# KiCad board JumperlessV5r8.kicad_pcb (continued)
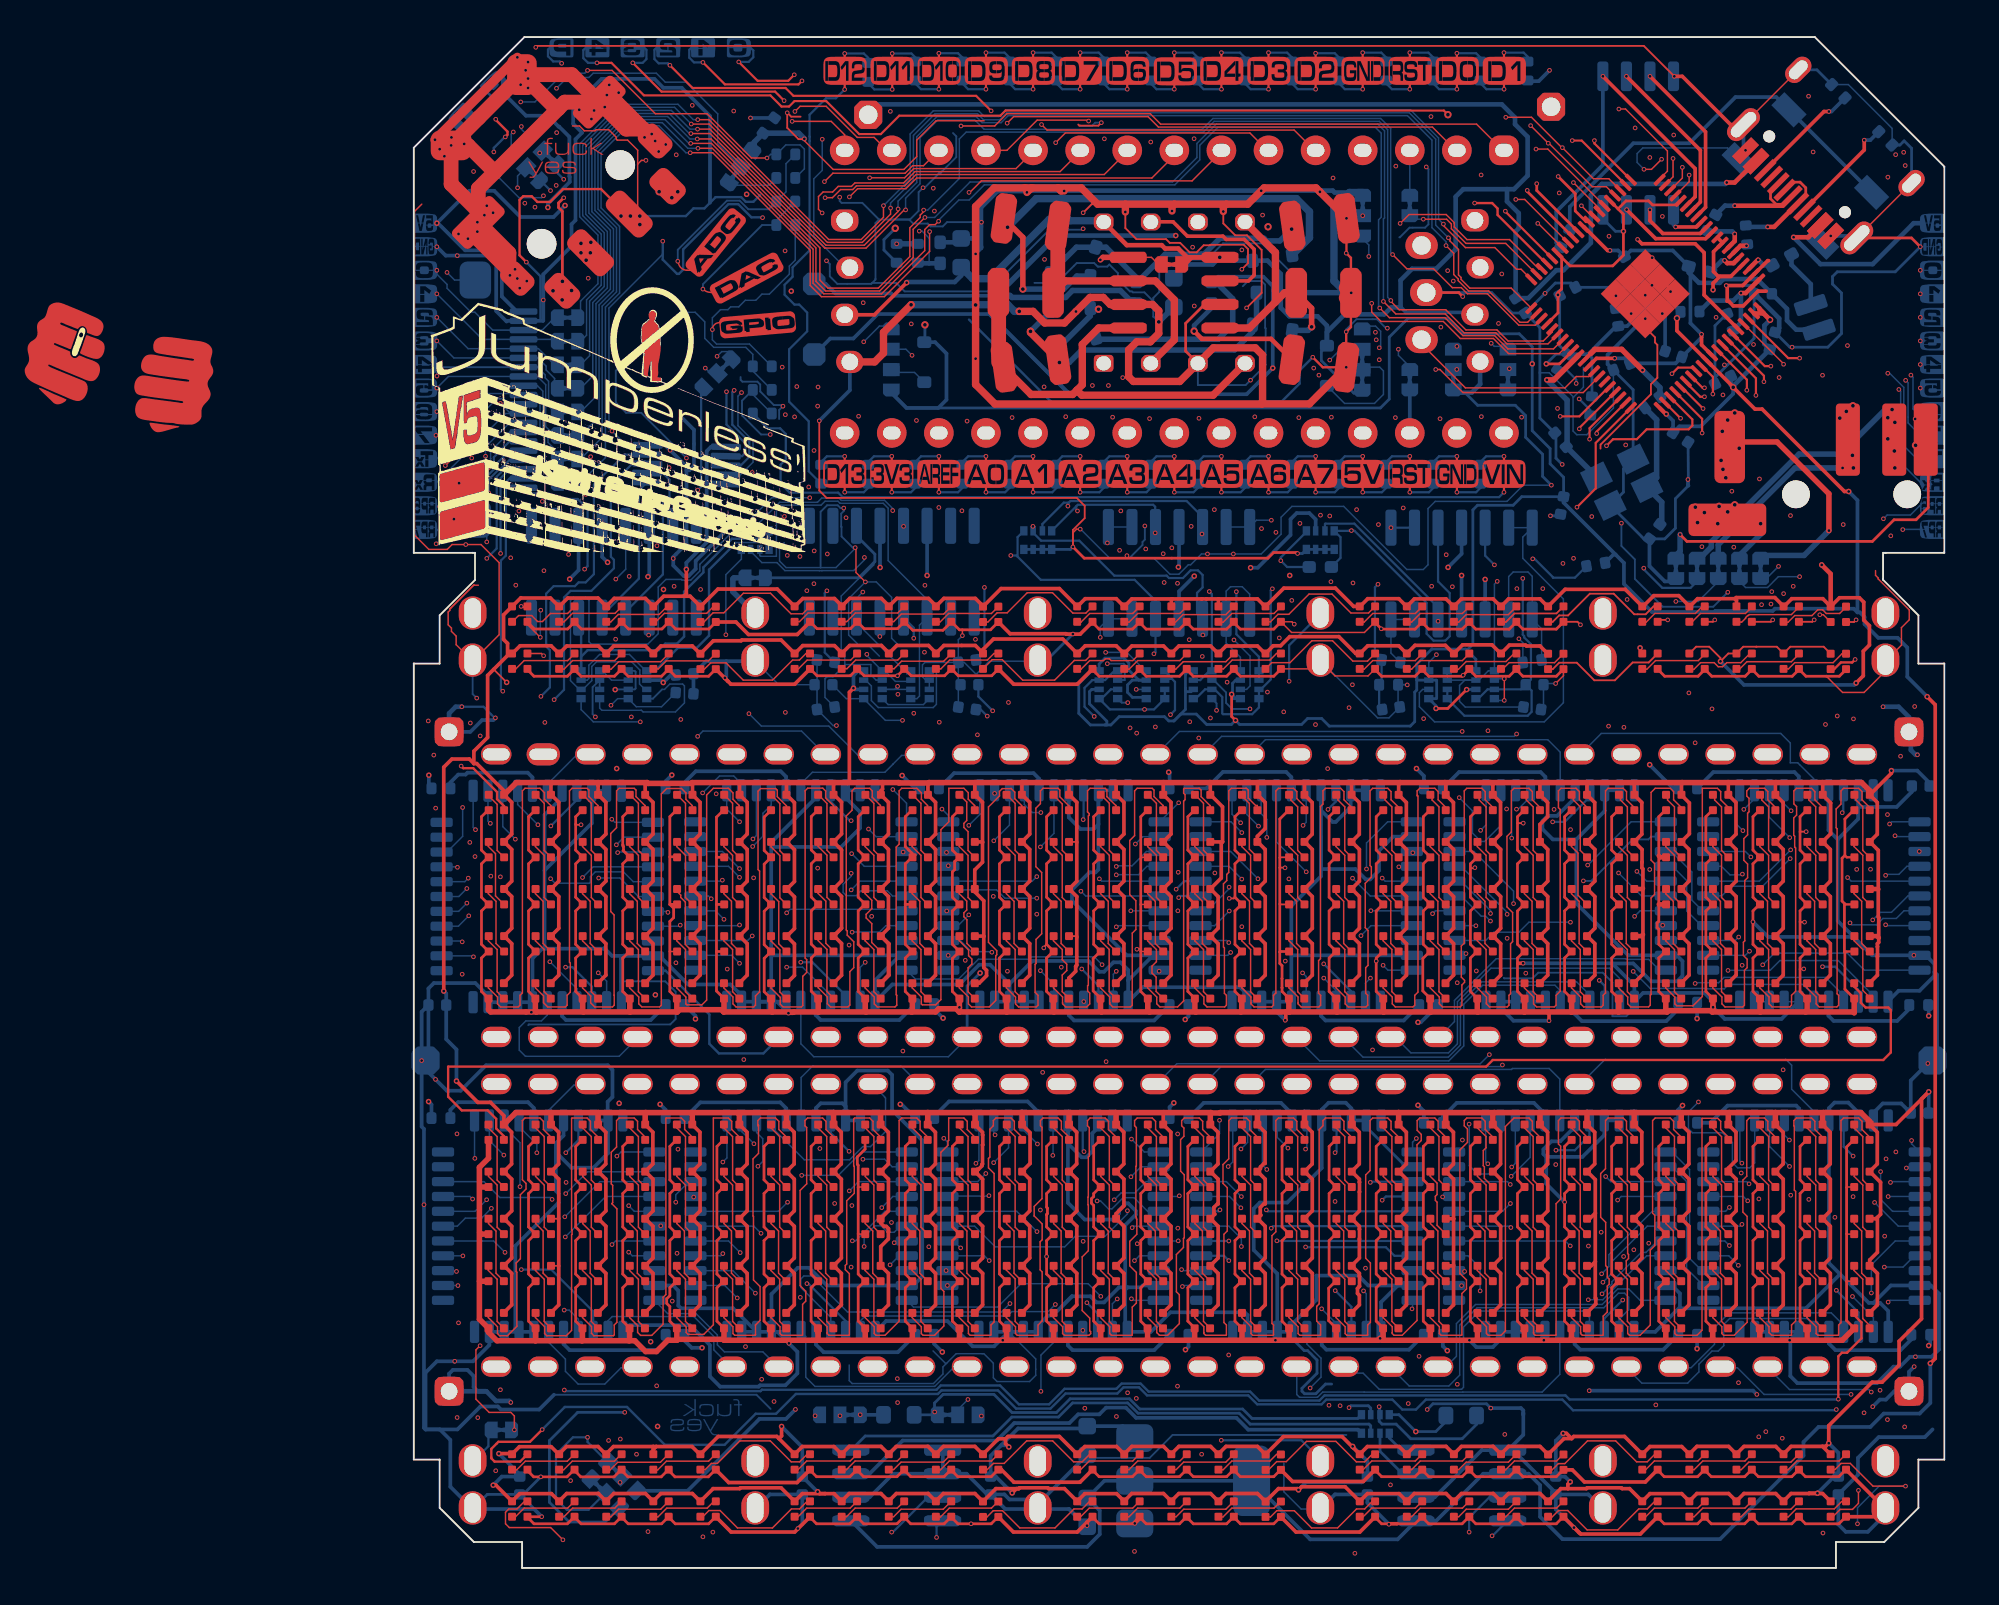
[diagram p0: board, top side]
## Nets (continued)
DI: D70.3 I1.39
DJ: D70.4 J6.39
DK: D70.2 K1.39
DL: D70.8 L1.39
EI: E1.5 I1.17
EJ: E1.6 J6.17
EK: E1.30 K1.17
EL: E1.26 L1.17
ENC_A: SW3.1 U5.11
ENC_B: SW3.4 U5.12
ENC_PUSH: C27.1 R22.2 U5.9
EncoderMP: SW3.0
FI: F5.7 I1.15
FJ: F5.8 J6.15
FK: F5.28 K1.15
FL: F5.4 L1.15
FP/Boost: JP31.1 U1.1 U9.1
GI: G1.25 I1.13
GJ: G1.24 J6.13
GK: G1.26 K1.13
GL: G1.30 L1.13
GPIO_6: J5.13 J7.13 J8.13 TP28.7 U5.3 U6.4
GPIO_7: J5.14 J7.14 J8.14 TP28.8 U5.4 U6.5
GPIO_20: J5.3 J7.3 J8.3 JP23.2 L1.27
GPIO_21: J5.4 J7.4 J8.4 JP24.2 L1.26
GPIO_22: J5.5 J7.5 J8.5 JP25.2 L1.3
GPIO_23: J5.6 J7.6 J8.6 JP12.3 JP26.2 L1.4
GPIO_24: J5.7 J7.7 J8.7 JP10.3 JP27.2 L1.5
GPIO_25: J5.8 J7.8 J8.8 JP9.3 JP28.2 L1.6
GPIO_26: J5.9 J7.9 J8.9 JP2.3 JP29.2 L1.7
GPIO_27: J5.10 J7.10 J8.10 JP1.3 JP30.2 L1.8
HI: H1.1 I1.11
HJ: H1.2 J6.11
HK: H1.4 K1.11
HL: H1.28 L1.11
I2C_SCL: R26.2 U3.4 U4.4 U5.2 U6.1 U1806.2
I2C_SDA: R27.2 U3.3 U4.3 U5.1 U6.2 U1806.3
IJ: I1.24 J6.24
IK: I1.1 K1.24
IL: I1.25 L1.25
JK: J6.1 K1.1
JL: J6.25 L1.24
KL: K1.25 L1.1
LDAC: U5.6 U1806.4
LED_60_OUT: D1605.1 JP20.3
LED_DATA_OUT: D1011.4 U5.17
LED_OUT_PROBE: JP15.1 U5.79
LED_OUT_TOP: JP20.2 U5.80
LED_RAILS_IN: D1611.4 JP20.1
NANO_3V3: A1.17 JP1.2
NANO_5V: A1.27 JP2.2
NANO_~{RESET}_0: A1.28 JP5.3 JP7.1
NANO_~{RESET}_1: A1.3 JP6.3 JP8.1
OLED_SCL: J9.2 J10.2 U6.6
OLED_SDA: J9.1 J10.1 U6.3
OSC: U1.7 U9.7
POWER_SUPPLY_SENSE_BUFFERED: C23.1 RN6.1 RN6.7 RN7.1 RN7.2 U5.57
Probe_Button: JP16.1 U5.7
Probe_Probe: JP17.1 U5.8
R_SENSE+: C15.1 NOREF#2.3 R57.1 RN2.8 RN8.2 U10.3
RESET: A2.41 B1.41 C26.41 D70.41 E1.41 F5.41 G1.41 H1.41 I1.41 J6.41 K1.41 L1.41 R3.2 U5.16
ROUTABLE_BUFFER_IN: K1.29 R88.1 RN15.8 U7.3
ROUTABLE_BUFFER_OUT: L1.29 U7.1 U7.2
RP_GPIO_20: JP23.1 U5.20
RP_GPIO_21: JP24.1 U5.21
RP_GPIO_22: JP25.1 U5.22
RP_GPIO_23: JP26.1 U5.23
RP_GPIO_24: JP27.1 U5.25
RP_GPIO_25: JP28.1 U5.26
RP_GPIO_26: JP29.1 U5.27
RP_GPIO_27: JP30.1 U5.28
TOP_RAIL: J4.61 JP3.2 K1.27
UART_Rx: I1.2 J5.12 J7.12 J8.12 U5.78
UART_Tx: J5.11 J6.2 J7.11 J8.11 U5.77
Vout: C4.2 D65.1 U1.5 U9.5
VREF/LV: U1.6
Net-(A1-VIN): A1.30 JP9.2
Net-(C14-Pad1): C14.1 R12.2 Y1.3
Net-(D2-K): D2.1 JP1.1 JP18.1
Net-(D3-K): D3.1 JP2.1 JP19.1
Net-(D4-K): C6.2 D4.1 D67.2 JP21.1
Net-(D6-A): C2.1 D6.2 D62.1
Net-(D6-K): C1.1 D6.1 D7.2 JP22.2
Net-(D65-A): C5.2 D65.2 D67.1 D68.2
Net-(D1011-DOUT): D1011.1 D1012.4
Net-(D1012-DOUT): D1012.1 D1013.4
Net-(D1013-DOUT): D1013.1 D1014.4
Net-(D1014-DOUT): D1014.1 D1015.4
Net-(D1015-DOUT): D1015.1 D1021.4
Net-(D1021-DOUT): D1021.1 D1022.4
Net-(D1022-DOUT): D1022.1 D1023.4
Net-(D1023-DOUT): D1023.1 D1024.4
Net-(D1024-DOUT): D1024.1 D1025.4
Net-(D1025-DOUT): D1025.1 D1031.4
Net-(D1031-DOUT): D1031.1 D1032.4
Net-(D1032-DOUT): D1032.1 D1033.4
Net-(D1033-DOUT): D1033.1 D1034.4
Net-(D1034-DOUT): D1034.1 D1035.4
Net-(D1035-DOUT): D1035.1 D1041.4
Net-(D1041-DOUT): D1041.1 D1042.4
Net-(D1042-DOUT): D1042.1 D1043.4
Net-(D1043-DOUT): D1043.1 D1044.4
Net-(D1044-DOUT): D1044.1 D1045.4
Net-(D1045-DOUT): D1045.1 D1051.4
Net-(D1051-DOUT): D1051.1 D1052.4
Net-(D1052-DOUT): D1052.1 D1053.4
Net-(D1053-DOUT): D1053.1 D1054.4
Net-(D1054-DOUT): D1054.1 D1055.4
Net-(D1055-DOUT): D1055.1 D1061.4
Net-(D1061-DOUT): D1061.1 D1062.4
Net-(D1062-DOUT): D1062.1 D1063.4
Net-(D1063-DOUT): D1063.1 D1064.4
Net-(D1064-DOUT): D1064.1 D1065.4
Net-(D1065-DOUT): D1065.1 D1071.4
Net-(D1071-DOUT): D1071.1 D1072.4
Net-(D1072-DOUT): D1072.1 D1073.4
Net-(D1073-DOUT): D1073.1 D1074.4
Net-(D1074-DOUT): D1074.1 D1075.4
Net-(D1075-DOUT): D1075.1 D1081.4
Net-(D1081-DOUT): D1081.1 D1082.4
Net-(D1082-DOUT): D1082.1 D1083.4
Net-(D1083-DOUT): D1083.1 D1084.4
Net-(D1084-DOUT): D1084.1 D1085.4
Net-(D1085-DOUT): D1085.1 D1091.4
Net-(D1091-DOUT): D1091.1 D1092.4
Net-(D1092-DOUT): D1092.1 D1093.4
Net-(D1093-DOUT): D1093.1 D1094.4
Net-(D1094-DOUT): D1094.1 D1095.4
Net-(D1095-DOUT): D1095.1 D1101.4
Net-(D1101-DOUT): D1101.1 D1102.4
Net-(D1102-DOUT): D1102.1 D1103.4
Net-(D1103-DOUT): D1103.1 D1104.4
Net-(D1104-DOUT): D1104.1 D1105.4
Net-(D1105-DOUT): D1105.1 D1111.4
Net-(D1111-DOUT): D1111.1 D1112.4
Net-(D1112-DOUT): D1112.1 D1113.4
Net-(D1113-DOUT): D1113.1 D1114.4
Net-(D1114-DOUT): D1114.1 D1115.4
Net-(D1115-DOUT): D1115.1 D1121.4
Net-(D1121-DOUT): D1121.1 D1122.4
Net-(D1122-DOUT): D1122.1 D1123.4
Net-(D1123-DOUT): D1123.1 D1124.4
Net-(D1124-DOUT): D1124.1 D1125.4
Net-(D1125-DOUT): D1125.1 D1131.4
Net-(D1131-DOUT): D1131.1 D1132.4
Net-(D1132-DOUT): D1132.1 D1133.4
Net-(D1133-DOUT): D1133.1 D1134.4
Net-(D1134-DOUT): D1134.1 D1135.4
Net-(D1135-DOUT): D1135.1 D1141.4
Net-(D1141-DOUT): D1141.1 D1142.4
Net-(D1142-DOUT): D1142.1 D1143.4
Net-(D1143-DOUT): D1143.1 D1144.4
Net-(D1144-DOUT): D1144.1 D1145.4
Net-(D1145-DOUT): D1145.1 D1151.4
Net-(D1151-DOUT): D1151.1 D1152.4
Net-(D1152-DOUT): D1152.1 D1153.4
Net-(D1153-DOUT): D1153.1 D1154.4
Net-(D1154-DOUT): D1154.1 D1155.4
Net-(D1155-DOUT): D1155.1 D1161.4
Net-(D1161-DOUT): D1161.1 D1162.4
Net-(D1162-DOUT): D1162.1 D1163.4
Net-(D1163-DOUT): D1163.1 D1164.4
Net-(D1164-DOUT): D1164.1 D1165.4
Net-(D1165-DOUT): D1165.1 D1171.4
Net-(D1171-DOUT): D1171.1 D1172.4
Net-(D1172-DOUT): D1172.1 D1173.4
Net-(D1173-DOUT): D1173.1 D1174.4
Net-(D1174-DOUT): D1174.1 D1175.4
Net-(D1175-DOUT): D1175.1 D1181.4
Net-(D1181-DOUT): D1181.1 D1182.4
Net-(D1182-DOUT): D1182.1 D1183.4
Net-(D1183-DOUT): D1183.1 D1184.4
Net-(D1184-DOUT): D1184.1 D1185.4
Net-(D1185-DOUT): D1185.1 D1191.4
Net-(D1191-DOUT): D1191.1 D1192.4
Net-(D1192-DOUT): D1192.1 D1193.4
Net-(D1193-DOUT): D1193.1 D1194.4
Net-(D1194-DOUT): D1194.1 D1195.4
Net-(D1195-DOUT): D1195.1 D1201.4
Net-(D1201-DOUT): D1201.1 D1202.4
Net-(D1202-DOUT): D1202.1 D1203.4
Net-(D1203-DOUT): D1203.1 D1204.4
Net-(D1204-DOUT): D1204.1 D1205.4
Net-(D1205-DOUT): D1205.1 D1211.4
Net-(D1211-DOUT): D1211.1 D1212.4
Net-(D1212-DOUT): D1212.1 D1213.4
Net-(D1213-DOUT): D1213.1 D1214.4
Net-(D1214-DOUT): D1214.1 D1215.4
Net-(D1215-DOUT): D1215.1 D1221.4
Net-(D1221-DOUT): D1221.1 D1222.4
Net-(D1222-DOUT): D1222.1 D1223.4
Net-(D1223-DOUT): D1223.1 D1224.4
Net-(D1224-DOUT): D1224.1 D1225.4
Net-(D1225-DOUT): D1225.1 D1231.4
Net-(D1231-DOUT): D1231.1 D1232.4
Net-(D1232-DOUT): D1232.1 D1233.4
Net-(D1233-DOUT): D1233.1 D1234.4
Net-(D1234-DOUT): D1234.1 D1235.4
Net-(D1235-DOUT): D1235.1 D1241.4
Net-(D1241-DOUT): D1241.1 D1242.4
Net-(D1242-DOUT): D1242.1 D1243.4
Net-(D1243-DOUT): D1243.1 D1244.4
Net-(D1244-DOUT): D1244.1 D1245.4
Net-(D1245-DOUT): D1245.1 D1251.4
Net-(D1251-DOUT): D1251.1 D1252.4
Net-(D1252-DOUT): D1252.1 D1253.4
Net-(D1253-DOUT): D1253.1 D1254.4
Net-(D1254-DOUT): D1254.1 D1255.4
Net-(D1255-DOUT): D1255.1 D1261.4
Net-(D1261-DOUT): D1261.1 D1262.4
Net-(D1262-DOUT): D1262.1 D1263.4
Net-(D1263-DOUT): D1263.1 D1264.4
Net-(D1264-DOUT): D1264.1 D1265.4
Net-(D1265-DOUT): D1265.1 D1271.4
Net-(D1271-DOUT): D1271.1 D1272.4
Net-(D1272-DOUT): D1272.1 D1273.4
Net-(D1273-DOUT): D1273.1 D1274.4
Net-(D1274-DOUT): D1274.1 D1275.4
Net-(D1275-DOUT): D1275.1 D1281.4
Net-(D1281-DOUT): D1281.1 D1282.4
Net-(D1282-DOUT): D1282.1 D1283.4
Net-(D1283-DOUT): D1283.1 D1284.4
Net-(D1284-DOUT): D1284.1 D1285.4
Net-(D1285-DOUT): D1285.1 D1291.4
Net-(D1291-DOUT): D1291.1 D1292.4
Net-(D1292-DOUT): D1292.1 D1293.4
Net-(D1293-DOUT): D1293.1 D1294.4
Net-(D1294-DOUT): D1294.1 D1295.4
Net-(D1295-DOUT): D1295.1 D1301.4
Net-(D1301-DOUT): D1301.1 D1302.4
Net-(D1302-DOUT): D1302.1 D1303.4
Net-(D1303-DOUT): D1303.1 D1304.4
Net-(D1304-DOUT): D1304.1 D1305.4
Net-(D1305-DOUT): D1305.1 D1311.4
Net-(D1311-DOUT): D1311.1 D1312.4
Net-(D1312-DOUT): D1312.1 D1313.4
Net-(D1313-DOUT): D1313.1 D1314.4
Net-(D1314-DOUT): D1314.1 D1315.4
Net-(D1315-DOUT): D1315.1 D1321.4
Net-(D1321-DOUT): D1321.1 D1322.4
Net-(D1322-DOUT): D1322.1 D1323.4
Net-(D1323-DOUT): D1323.1 D1324.4
Net-(D1324-DOUT): D1324.1 D1325.4
Net-(D1325-DOUT): D1325.1 D1331.4
Net-(D1331-DOUT): D1331.1 D1332.4
Net-(D1332-DOUT): D1332.1 D1333.4
Net-(D1333-DOUT): D1333.1 D1334.4
Net-(D1334-DOUT): D1334.1 D1335.4
Net-(D1335-DOUT): D1335.1 D1341.4
Net-(D1341-DOUT): D1341.1 D1342.4
Net-(D1342-DOUT): D1342.1 D1343.4
Net-(D1343-DOUT): D1343.1 D1344.4
Net-(D1344-DOUT): D1344.1 D1345.4
Net-(D1345-DOUT): D1345.1 D1351.4
Net-(D1351-DOUT): D1351.1 D1352.4
Net-(D1352-DOUT): D1352.1 D1353.4
Net-(D1353-DOUT): D1353.1 D1354.4
Net-(D1354-DOUT): D1354.1 D1355.4
Net-(D1355-DOUT): D1355.1 D1361.4
Net-(D1361-DOUT): D1361.1 D1362.4
Net-(D1362-DOUT): D1362.1 D1363.4
Net-(D1363-DOUT): D1363.1 D1364.4
Net-(D1364-DOUT): D1364.1 D1365.4
Net-(D1365-DOUT): D1365.1 D1371.4
Net-(D1371-DOUT): D1371.1 D1372.4
Net-(D1372-DOUT): D1372.1 D1373.4
Net-(D1373-DOUT): D1373.1 D1374.4
Net-(D1374-DOUT): D1374.1 D1375.4
Net-(D1375-DOUT): D1375.1 D1381.4
Net-(D1381-DOUT): D1381.1 D1382.4
Net-(D1382-DOUT): D1382.1 D1383.4
Net-(D1383-DOUT): D1383.1 D1384.4
Net-(D1384-DOUT): D1384.1 D1385.4
Net-(D1385-DOUT): D1385.1 D1391.4
Net-(D1391-DOUT): D1391.1 D1392.4
Net-(D1392-DOUT): D1392.1 D1393.4
Net-(D1393-DOUT): D1393.1 D1394.4
Net-(D1394-DOUT): D1394.1 D1395.4
Net-(D1395-DOUT): D1395.1 D1401.4
Net-(D1401-DOUT): D1401.1 D1402.4
Net-(D1402-DOUT): D1402.1 D1403.4
Net-(D1403-DOUT): D1403.1 D1404.4
Net-(D1404-DOUT): D1404.1 D1405.4
Net-(D1405-DOUT): D1405.1 D1411.4
Net-(D1411-DOUT): D1411.1 D1412.4
Net-(D1412-DOUT): D1412.1 D1413.4
Net-(D1413-DOUT): D1413.1 D1414.4
Net-(D1414-DOUT): D1414.1 D1415.4
Net-(D1415-DOUT): D1415.1 D1421.4
Net-(D1421-DOUT): D1421.1 D1422.4
Net-(D1422-DOUT): D1422.1 D1423.4
Net-(D1423-DOUT): D1423.1 D1424.4
Net-(D1424-DOUT): D1424.1 D1425.4
Net-(D1425-DOUT): D1425.1 D1431.4
Net-(D1431-DOUT): D1431.1 D1432.4
Net-(D1432-DOUT): D1432.1 D1433.4
Net-(D1433-DOUT): D1433.1 D1434.4
Net-(D1434-DOUT): D1434.1 D1435.4
Net-(D1435-DOUT): D1435.1 D1441.4
Net-(D1441-DOUT): D1441.1 D1442.4
Net-(D1442-DOUT): D1442.1 D1443.4
Net-(D1443-DOUT): D1443.1 D1444.4
Net-(D1444-DOUT): D1444.1 D1445.4
Net-(D1445-DOUT): D1445.1 D1451.4
Net-(D1451-DOUT): D1451.1 D1452.4
Net-(D1452-DOUT): D1452.1 D1453.4
Net-(D1453-DOUT): D1453.1 D1454.4
Net-(D1454-DOUT): D1454.1 D1455.4
Net-(D1455-DOUT): D1455.1 D1461.4
Net-(D1461-DOUT): D1461.1 D1462.4
Net-(D1462-DOUT): D1462.1 D1463.4
Net-(D1463-DOUT): D1463.1 D1464.4
Net-(D1464-DOUT): D1464.1 D1465.4
Net-(D1465-DOUT): D1465.1 D1471.4
Net-(D1471-DOUT): D1471.1 D1472.4
Net-(D1472-DOUT): D1472.1 D1473.4
Net-(D1473-DOUT): D1473.1 D1474.4
Net-(D1474-DOUT): D1474.1 D1475.4
Net-(D1475-DOUT): D1475.1 D1481.4
Net-(D1481-DOUT): D1481.1 D1482.4
Net-(D1482-DOUT): D1482.1 D1483.4
Net-(D1483-DOUT): D1483.1 D1484.4
Net-(D1484-DOUT): D1484.1 D1485.4
Net-(D1485-DOUT): D1485.1 D1491.4
Net-(D1491-DOUT): D1491.1 D1492.4
Net-(D1492-DOUT): D1492.1 D1493.4
Net-(D1493-DOUT): D1493.1 D1494.4
Net-(D1494-DOUT): D1494.1 D1495.4
Net-(D1495-DOUT): D1495.1 D1501.4
Net-(D1501-DOUT): D1501.1 D1502.4
Net-(D1502-DOUT): D1502.1 D1503.4
Net-(D1503-DOUT): D1503.1 D1504.4
Net-(D1504-DOUT): D1504.1 D1505.4
Net-(D1505-DOUT): D1505.1 D1511.4
Net-(D1511-DOUT): D1511.1 D1512.4
Net-(D1512-DOUT): D1512.1 D1513.4
Net-(D1513-DOUT): D1513.1 D1514.4
Net-(D1514-DOUT): D1514.1 D1515.4
Net-(D1515-DOUT): D1515.1 D1521.4
Net-(D1521-DOUT): D1521.1 D1522.4
Net-(D1522-DOUT): D1522.1 D1523.4
Net-(D1523-DOUT): D1523.1 D1524.4
Net-(D1524-DOUT): D1524.1 D1525.4
Net-(D1525-DOUT): D1525.1 D1531.4
Net-(D1531-DOUT): D1531.1 D1532.4
Net-(D1532-DOUT): D1532.1 D1533.4
Net-(D1533-DOUT): D1533.1 D1534.4
Net-(D1534-DOUT): D1534.1 D1535.4
Net-(D1535-DOUT): D1535.1 D1541.4
Net-(D1541-DOUT): D1541.1 D1542.4
Net-(D1542-DOUT): D1542.1 D1543.4
Net-(D1543-DOUT): D1543.1 D1544.4
Net-(D1544-DOUT): D1544.1 D1545.4
Net-(D1545-DOUT): D1545.1 D1551.4
Net-(D1551-DOUT): D1551.1 D1552.4
Net-(D1552-DOUT): D1552.1 D1553.4
Net-(D1553-DOUT): D1553.1 D1554.4
Net-(D1554-DOUT): D1554.1 D1555.4
Net-(D1555-DOUT): D1555.1 D1561.4
Net-(D1561-DOUT): D1561.1 D1562.4
Net-(D1562-DOUT): D1562.1 D1563.4
Net-(D1563-DOUT): D1563.1 D1564.4
Net-(D1564-DOUT): D1564.1 D1565.4
Net-(D1565-DOUT): D1565.1 D1571.4
Net-(D1571-DOUT): D1571.1 D1572.4
Net-(D1572-DOUT): D1572.1 D1573.4
Net-(D1573-DOUT): D1573.1 D1574.4
Net-(D1574-DOUT): D1574.1 D1575.4
Net-(D1575-DOUT): D1575.1 D1581.4
Net-(D1581-DOUT): D1581.1 D1582.4
Net-(D1582-DOUT): D1582.1 D1583.4
Net-(D1583-DOUT): D1583.1 D1584.4
Net-(D1584-DOUT): D1584.1 D1585.4
Net-(D1585-DOUT): D1585.1 D1591.4
Net-(D1591-DOUT): D1591.1 D1592.4
Net-(D1592-DOUT): D1592.1 D1593.4
Net-(D1593-DOUT): D1593.1 D1594.4
Net-(D1594-DOUT): D1594.1 D1595.4
Net-(D1595-DOUT): D1595.1 D1601.4
Net-(D1601-DOUT): D1601.1 D1602.4
Net-(D1602-DOUT): D1602.1 D1603.4
Net-(D1603-DOUT): D1603.1 D1604.4
Net-(D1604-DOUT): D1604.1 D1605.4
Net-(D1611-DOUT): D1611.1 D1612.4
Net-(D1612-DOUT): D1612.1 D1613.4
Net-(D1613-DOUT): D1613.1 D1614.4
Net-(D1614-DOUT): D1614.1 D1615.4
Net-(D1615-DOUT): D1615.1 D1616.4
Net-(D1616-DOUT): D1616.1 D1617.4
Net-(D1617-DOUT): D1617.1 D1618.4
Net-(D1618-DOUT): D1618.1 D1619.4
Net-(D1619-DOUT): D1619.1 D1620.4
Net-(D1620-DOUT): D1620.1 D1621.4
Net-(D1621-DOUT): D1621.1 D1622.4
Net-(D1622-DOUT): D1622.1 D1623.4
Net-(D1623-DOUT): D1623.1 D1624.4
Net-(D1624-DOUT): D1624.1 D1625.4
Net-(D1625-DOUT): D1625.1 D1626.4
Net-(D1626-DOUT): D1626.1 D1627.4
Net-(D1627-DOUT): D1627.1 D1628.4
Net-(D1628-DOUT): D1628.1 D1629.4
Net-(D1629-DOUT): D1629.1 D1630.4
Net-(D1630-DOUT): D1630.1 D1631.4
Net-(D1631-DOUT): D1631.1 D1632.4
Net-(D1632-DOUT): D1632.1 D1633.4
Net-(D1633-DOUT): D1633.1 D1634.4
Net-(D1634-DOUT): D1634.1 D1635.4
Net-(D1635-DOUT): D1635.1 D1636.4
Net-(D1636-DOUT): D1636.1 D1637.4
Net-(D1637-DOUT): D1637.1 D1638.4
Net-(D1638-DOUT): D1638.1 D1639.4
Net-(D1639-DOUT): D1639.1 D1640.4
Net-(D1640-DOUT): D1640.1 D1641.4
Net-(D1641-DOUT): D1641.1 D1642.4
Net-(D1642-DOUT): D1642.1 D1643.4
Net-(D1643-DOUT): D1643.1 D1644.4
Net-(D1644-DOUT): D1644.1 D1645.4
Net-(D1645-DOUT): D1645.1 D1646.4
Net-(D1646-DOUT): D1646.1 D1647.4
Net-(D1647-DOUT): D1647.1 D1648.4
Net-(D1648-DOUT): D1648.1 D1649.4
Net-(D1649-DOUT): D1649.1 D1650.4
Net-(D1650-DOUT): D1650.1 D1651.4
Net-(D1651-DOUT): D1651.1 D1652.4
Net-(D1652-DOUT): D1652.1 D1653.4
Net-(D1653-DOUT): D1653.1 D1654.4
Net-(D1654-DOUT): D1654.1 D1655.4
Net-(D1655-DOUT): D1655.1 D1656.4
Net-(D1656-DOUT): D1656.1 D1657.4
Net-(D1657-DOUT): D1657.1 D1658.4
Net-(D1658-DOUT): D1658.1 D1659.4
Net-(D1659-DOUT): D1659.1 D1660.4
Net-(D1660-DOUT): D1660.1 D1711.4
Net-(D1711-DOUT): D1711.1 D1712.4
Net-(D1712-DOUT): D1712.1 D1713.4
Net-(D1713-DOUT): D1713.1 D1714.4
Net-(D1714-DOUT): D1714.1 D1715.4
Net-(D1715-DOUT): D1715.1 D1716.4
Net-(D1716-DOUT): D1716.1 D1717.4
Net-(D1717-DOUT): D1717.1 D1718.4
Net-(D1718-DOUT): D1718.1 D1719.4
Net-(D1719-DOUT): D1719.1 D1720.4
Net-(D1720-DOUT): D1720.1 D1721.4
Net-(D1721-DOUT): D1721.1 D1722.4
Net-(D1722-DOUT): D1722.1 D1723.4
Net-(D1723-DOUT): D1723.1 D1724.4
Net-(D1724-DOUT): D1724.1 D1725.4
Net-(D1725-DOUT): D1725.1 D1726.4
Net-(D1726-DOUT): D1726.1 D1727.4
Net-(D1727-DOUT): D1727.1 D1728.4
Net-(D1728-DOUT): D1728.1 D1729.4
Net-(D1729-DOUT): D1729.1 D1730.4
Net-(D1730-DOUT): D1730.1 D1731.4
Net-(D1731-DOUT): D1731.1 D1732.4
Net-(D1732-DOUT): D1732.1 D1733.4
Net-(D1733-DOUT): D1733.1 D1734.4
Net-(D1734-DOUT): D1734.1 D1735.4
Net-(D1735-DOUT): D1735.1 D1736.4
Net-(D1736-DOUT): D1736.1 D1737.4
Net-(D1737-DOUT): D1737.1 D1738.4
Net-(D1738-DOUT): D1738.1 D1739.4
Net-(D1739-DOUT): D1739.1 D1740.4
Net-(D1740-DOUT): D1740.1 D1741.4
Net-(D1741-DOUT): D1741.1 D1742.4
Net-(D1742-DOUT): D1742.1 D1743.4
Net-(D1743-DOUT): D1743.1 D1744.4
Net-(D1744-DOUT): D1744.1 D1745.4
Net-(D1745-DOUT): D1745.1 D1746.4
Net-(D1746-DOUT): D1746.1 D1747.4
Net-(D1747-DOUT): D1747.1 D1748.4
Net-(D1748-DOUT): D1748.1 D1749.4
Net-(D1749-DOUT): D1749.1 D1750.4
Net-(D1750-DOUT): D1750.1 D1751.4
Net-(D1751-DOUT): D1751.1 D1752.4
Net-(D1752-DOUT): D1752.1 D1753.4
Net-(D1753-DOUT): D1753.1 D1754.4
Net-(D1754-DOUT): D1754.1 D1755.4
Net-(D1755-DOUT): D1755.1 D1756.4
Net-(D1756-DOUT): D1756.1 D1757.4
Net-(D1757-DOUT): D1757.1 D1758.4
Net-(D1758-DOUT): D1758.1 D1759.4
Net-(D1759-DOUT): D1759.1 D1760.4
Net-(D1760-DOUT): D1760.1 TP20.1
Net-(I1-X11): I1.8 JP5.2
Net-(J2-CC1): J2.A5 R25.1
Net-(J2-CC2): J2.B5 R28.1
Net-(J3-R1): J3.3 JP16.2
Net-(J3-R2): J3.4 JP15.2
Net-(J3-R3): J3.5 JP14.2
Net-(J3-S): J3.1 JP13.2
Net-(J3-T): J3.2 JP17.2
Net-(J6-X11): J6.8 JP6.2
Net-(J12-Pin_1): J12.1 J15.1
Net-(J13-Pin_1): J13.1 R31.1
Net-(J1711-Pin_1): J1711.1 R39.2 R40.1
Net-(J1711-Pin_2): J1711.2 R40.2 R41.1
Net-(J1711-Pin_3): J1711.3 R41.2 R42.1
Net-(J1711-Pin_4): J1711.4 R42.2 R43.1
Net-(J1711-Pin_5): J1711.5 R43.2 R44.1
Net-(J1711-Pin_6): J1711.6 R44.2 R45.1
Net-(J1711-Pin_7): J1711.7 R45.2 R46.1
Net-(J1711-Pin_8): J1711.8 R46.2 R47.1
Net-(J1711-Pin_9): J1711.9 R47.2 R48.1
Net-(J1711-Pin_10): J1711.10 R48.2 R49.1
Net-(J1711-Pin_11): J1711.11 R49.2 R50.1
Net-(J1711-Pin_12): J1711.12 R50.2 R51.1
Net-(J1711-Pin_13): J1711.13 R51.2 R52.1
Net-(J1711-Pin_14): J1711.14 R52.2 R53.1
Net-(J1711-Pin_15): J1711.15 R38.1 R53.2
Net-(J1712-Pin_1): J1712.1 R4.2 R39.1
Net-(J1712-Pin_2): J1712.2 R4.1 R10.2
Net-(J1712-Pin_3): J1712.3 R10.1 R13.2
Net-(J1712-Pin_4): J1712.4 R13.1 R14.2
Net-(J1712-Pin_5): J1712.5 R14.1 R15.2
Net-(J1712-Pin_6): J1712.6 R15.1 R16.2
Net-(J1712-Pin_7): J1712.7 R16.1 R17.2
Net-(J1712-Pin_8): J1712.8 R17.1 R18.2
Net-(J1712-Pin_9): J1712.9 R18.1 R19.2
Net-(J1712-Pin_10): J1712.10 R19.1 R20.2
Net-(J1712-Pin_11): J1712.11 R20.1 R23.2
Net-(J1712-Pin_12): J1712.12 R23.1 R24.2
Net-(J1712-Pin_13): J1712.13 R24.1 R29.2
Net-(J1712-Pin_14): J1712.14 R29.1 R30.2
Net-(J1712-Pin_15): J1712.15 R30.1 R31.2
Net-(JP3-A): C1806.1 JP3.1 RN4.2 U1807.3
Net-(JP4-A): C1807.1 JP4.1 RN4.5 U1807.5
Net-(JP10-C): A1.4 JP10.2
Net-(JP11-A): JP11.1 R33.2
Net-(JP11-C): JP11.2 TP28.4
Net-(JP12-C): A1.29 JP12.2
Net-(JP33-A): JP7.2 U5.18
Net-(JP33-B): JP8.2 U5.19
Net-(L2-Pad2): L2.2 R90.1
Net-(R32-Pad1): R32.1 R34.2 TP18.1
Net-(R34-Pad1): R34.1 R35.2 TP24.1
Net-(R35-Pad1): R35.1 R36.2 TP16.1
Net-(RN2A-R1.1): RN2.1 U3.8
Net-(RN2B-R2.1): RN2.2 U3.7
Net-(RN2C-R3.1): RN2.3 U4.8
Net-(RN2D-R4.1): RN2.4 U4.7
Net-(RN7A-R1.2): R81.2 RN7.8
Net-(RN7C-R3.2): RN7.6 U7.6 U7.7
Net-(RN8D-R4.2): C10.1 NOREF#5.4 RN8.5 U10.5 U12.3
Net-(RN10A-R1.1): RN8.7 RN10.1
Net-(RN10A-R1.2): RN10.8 RN12.8 U10.14
Net-(RN10B-R2.2): RN8.1 RN10.7 RN12.1
Net-(RN10C-R3.2): RN8.3 RN10.6 RN12.5
Net-(RN10D-R4.1): RN8.4 RN10.4
Net-(RN10D-R4.2): RN10.5 RN12.4 U10.11
Net-(RN12B-R2.1): RN12.2 RN19.5 U1807.11
Net-(RN12B-R2.2): RN4.3 RN12.7 RN19.6
Net-(RN12C-R3.1): RN4.1 RN12.3 RN19.7
Net-(RN12C-R3.2): RN12.6 RN19.8 U1807.14
Net-(RN13A-R1.2): RN13.8 U11.1 U11.2
Net-(RN13C-R3.2): RN13.6 U11.6 U11.7
Net-(RN16A-R1.2): RN16.8 U11.8 U11.9
Net-(RN16C-R3.2): RN16.6 U11.13 U11.14
Net-(RN19A-R1.1): RN4.7 RN19.1
Net-(RN19D-R4.1): RN4.4 RN19.4
Net-(SW3-S1): R8.2 R22.1 SW3.2
Net-(TP28-Pin_1): R36.1 R37.2 TP28.1
Net-(TP28-Pin_2): R37.1 R38.2 TP28.2
Net-(TP28-Pin_3): R32.2 R33.1 TP28.3
Net-(U5-USB_DM): R86.2 U5.66
Net-(U5-USB_DP): R85.2 U5.67
Net-(U5-VREG_FB): R80.2 U5.65
Net-(U7C--): R81.1 U7.8 U7.9
Net-(U7D--): R87.1 U7.13 U7.14

Pads without a net: A2 9 22 23 32 33 44; B1 9 22 23 32 33 44; C26 9 22 23 32 33 44; D70 9 22 23 32 33 44; E1 9 22 23 32 33 44; F5 9 22 23 32 33 44; G1 9 22 23 32 33 44; H1 9 22 23 32 33 44; I1 9 22 23 32 44; J2 A8 B8; J5 MP; J6 9 22 23 32 44; K1 9 22 23 32 44; L1 9 22 23 32 44; REF** 1 2 3 4 5; TP28 5 6; U10 1 2 7 8 9 10 15 16; U12 1; U1806 5; U1807 1 2 7 8 9 10 15 16

## Via types
v1: diameter 0.25, hole 0.15, Top to Bottom, 1158 vias
v2: diameter 0.3, hole 0.15, Top to Bottom, 92 vias
v3: diameter 0.4, hole 0.2, Top to Bottom, 60 vias
v4: diameter 0.35, hole 0.2, Top to Bottom, 3 vias

## Routing (per net, layer and track width the routed paths; a pad name or vN(x,y) marks a point on that pad's centre or on a via; arc(x,y) is an arc through that point)
+1V1: length 28.4
  Top w0.2: v1(64.52,71.04) 64.39,71.04 63.12,72.31 U5.10 ; U5.32 63.79,65.23 v1(64.77,65.23) ; U5.51 69.46,65.95 v1(69.46,66.52)
  Bottom w0.2: v1(64.77,65.23) 65.31,65.23 C41.1 65.61,64.96 68.06,64.96 C38.1 69.46,66.36 v1(69.46,66.52) 68.86,67.12 68.86,70.09 R80.1 67.9,71.04 65.64,71.04 C40.1 64.96,71.04 v1(64.52,71.04)
  Bottom w0.25: L2.1 74.56,66.77 74.07,67.27 74.07,67.89 C25.1 72.46,69.5 70.64,69.5 70.44,69.3 69.32,69.3 68.76,69.85 R80.1
+3V3: length 345.1
  Top w0.15: 64.95,73.29 U5.5 ; 64.95,73.29 65.24,73 v2(65.24,72.08) 65.24,70.79 64.67,70.21 62.37,70.21 U5.15 61.91,70.67 61.91,68.97 61.71,68.77 v2(61.71,68.65) 61.71,67.68 U5.24 ; 64.95,73.29 65.38,73.72 66.6,73.72 66.82,73.5 68.1,73.5 U5.76 ; v2(56.79,47.36) 55.77,46.35 v2(55.13,46.35) ; v2(44.11,47.11) 44.11,45.91 v2(44.32,45.7) ; U5.29 61.79,64.93 v2(61.08,64.93)
  Top w0.2: U5.41 67.53,62.22 v2(67.56,62.22) ; 71.04,69.65 70.45,69.65 70.08,69.27 v2(70.08,68.92) ; 71.04,69.65 70.36,69.65 70.1,69.9 70.1,70.98 U5.68 U5.69 ; 71.04,69.65 U5.64 ; v2(81.63,46.98) 82.06,46.55 82.06,11.29 v2(81.8,11.03) ; v4(68.13,67.39) 68.13,66.72 U5.50 71.16,63.68 v4(71.16,63.66) 72.34,62.49 72.72,62.49 77.17,58.05 v2(77.39,58.05)
  Top w0.25: U5.59 72.81,67.65 v4(73.15,67.3) 72.57,67.88 U5.60
  In1.Cu w0.2: v2(60.33,64.93) 60.33,64.93 v2(61.08,64.93)
  In2.Cu w0.15: v3(27.57,67.03) 27.57,70.72 26.04,72.24 v3(25.97,72.24)
  In2.Cu w0.2: v2(70.08,68.92) 71.15,67.85 71.15,67.75 72.71,67.75 v4(73.15,67.3)
  Bottom w0.15: RN16.7 44.34,47.88 44.16,47.7 44.16,46.9 44.19,46.88 RN16.5 44.34,46.88 v2(44.11,47.11) ; RN13.5 39.44,46.94 38.77,46.94 38.5,47.21 38.5,47.61 38.76,47.88 RN13.7 39.11,47.88 38.57,48.41 38.57,48.8 38.31,49.06 37.28,49.06 36.97,48.74 RN14.8 36.56,48.38 35.87,47.68 35.87,46.08 36.49,45.46 37.28,45.46 ; 25.78,63.37 26.6,62.55 52.14,62.55 52.61,63.03 52.61,66.37 53.62,67.38 55.79,67.38 56.63,66.55 59.62,66.55 60.33,65.85 v2(60.33,64.93) 60.33,61.32 61.29,60.36 61.29,59.54 62.02,58.81 C21.1 59.76,57.77 59.3,57.3 57.37,57.3 57.12,57.06 57.12,49.81 56.8,49.48 ; 56.8,49.48 57.29,49 RN6.8 ; 56.8,49.48 56.73,49.55 54.91,49.55 54.1,48.74 54.1,48.04 ; v3(27.57,67.03) 27.57,66.13 D2.2 ; RN6.6 56.8,47.38 v2(56.79,47.36) ; 41,45.67 40.72,45.67 40.49,45.9 38.05,45.9 37.6,45.46 37.28,45.46 ; 41,45.67 41.62,46.29 41.62,47.44 ; 41,45.67 41.37,46.04 42.21,46.04 42.77,45.48 44.1,45.48 v2(44.32,45.7) 44.54,45.48 47.89,45.48 48.21,45.8 48.97,45.8 49.38,45.39 53.75,45.39 53.99,45.63 53.99,47.23 54.1,47.34 54.1,48.04 ; RN17.8 41.8,48.38 41.62,48.2 41.62,47.44 ; 54.1,48.04 54.1,47.88 RN7.7 55.15,47.88 55.17,47.85 55.17,46.9 55.15,46.88 RN7.5 55.13,46.49 v2(55.13,46.35) ; v2(61.08,64.93) 61.61,65.45 R26.1 61.8,65.9 C20.1 61.77,68.65 v2(61.71,68.65) ; U8.8 64.14,72.76 64.82,72.08 v2(65.24,72.08) ; R27.1 63.54,65.25 63.34,65.45 ; 41.62,47.44 41.62,47.31 41.68,47.25 41.92,47.25 RN17.6 ; 37.28,45.46 37.38,45.46 37.38,45.66 36.45,46.59 36.45,47.26 36.56,47.38 RN14.6 ; R8.1 25.36,71.07 25.36,71.63 v3(25.97,72.24)
  Bottom w0.2: C21.1 62.02,57.45 64.82,54.64 ; 64.82,54.64 65.27,54.19 65.27,53.06 66.79,51.55 70.14,51.55 70.2,51.61 73.29,51.61 73.41,51.73 77.67,51.73 77.87,51.53 ; 64.82,54.64 64.7,54.64 R3.1 ; v4(71.16,63.66) 71.16,63.32 69.41,61.56 68.26,61.56 C18.1 67.92,61.86 v2(67.56,62.22) ; JP18.2 26.57,62.55 28.29,62.55 28.73,62.99 28.73,65.48 28.12,66.1 D2.2 ; U4.5 24.99,1.13 36.32,1.13 37,1.81 37,3.09 C8.1 37.25,4.7 U2.2 U2.2 48.35,1.54 53.07,1.54 U3.5 55.14,2.54 57.68,5.08 U3.2 60.13,5.08 60.75,4.46 60.75,2.76 61.96,1.55 70.46,1.55 74.96,6.05 74.96,6.79 75.77,7.6 78.56,7.6 79.28,8.32 81.22,8.32 81.8,8.9 v2(81.8,11.03) ; R26.1 63.34,65.45 64.85,66.96 C22.1 65.44,66.96 66.06,67.58 66.06,67.61 66.67,68.22 67.84,68.22 R79.1 68.32,67.59 v4(68.13,67.39) ; 77.87,51.53 77.87,57.57 v2(77.39,58.05) ; 77.87,51.53 77.99,51.53 78.25,51.27 78.25,50.89 78.99,50.16 80.03,50.16 80.55,49.63 80.55,48.05 v2(81.63,46.98)